# Altium PCB AX7021B.PcbDoc (part 1 of 6) (continued)
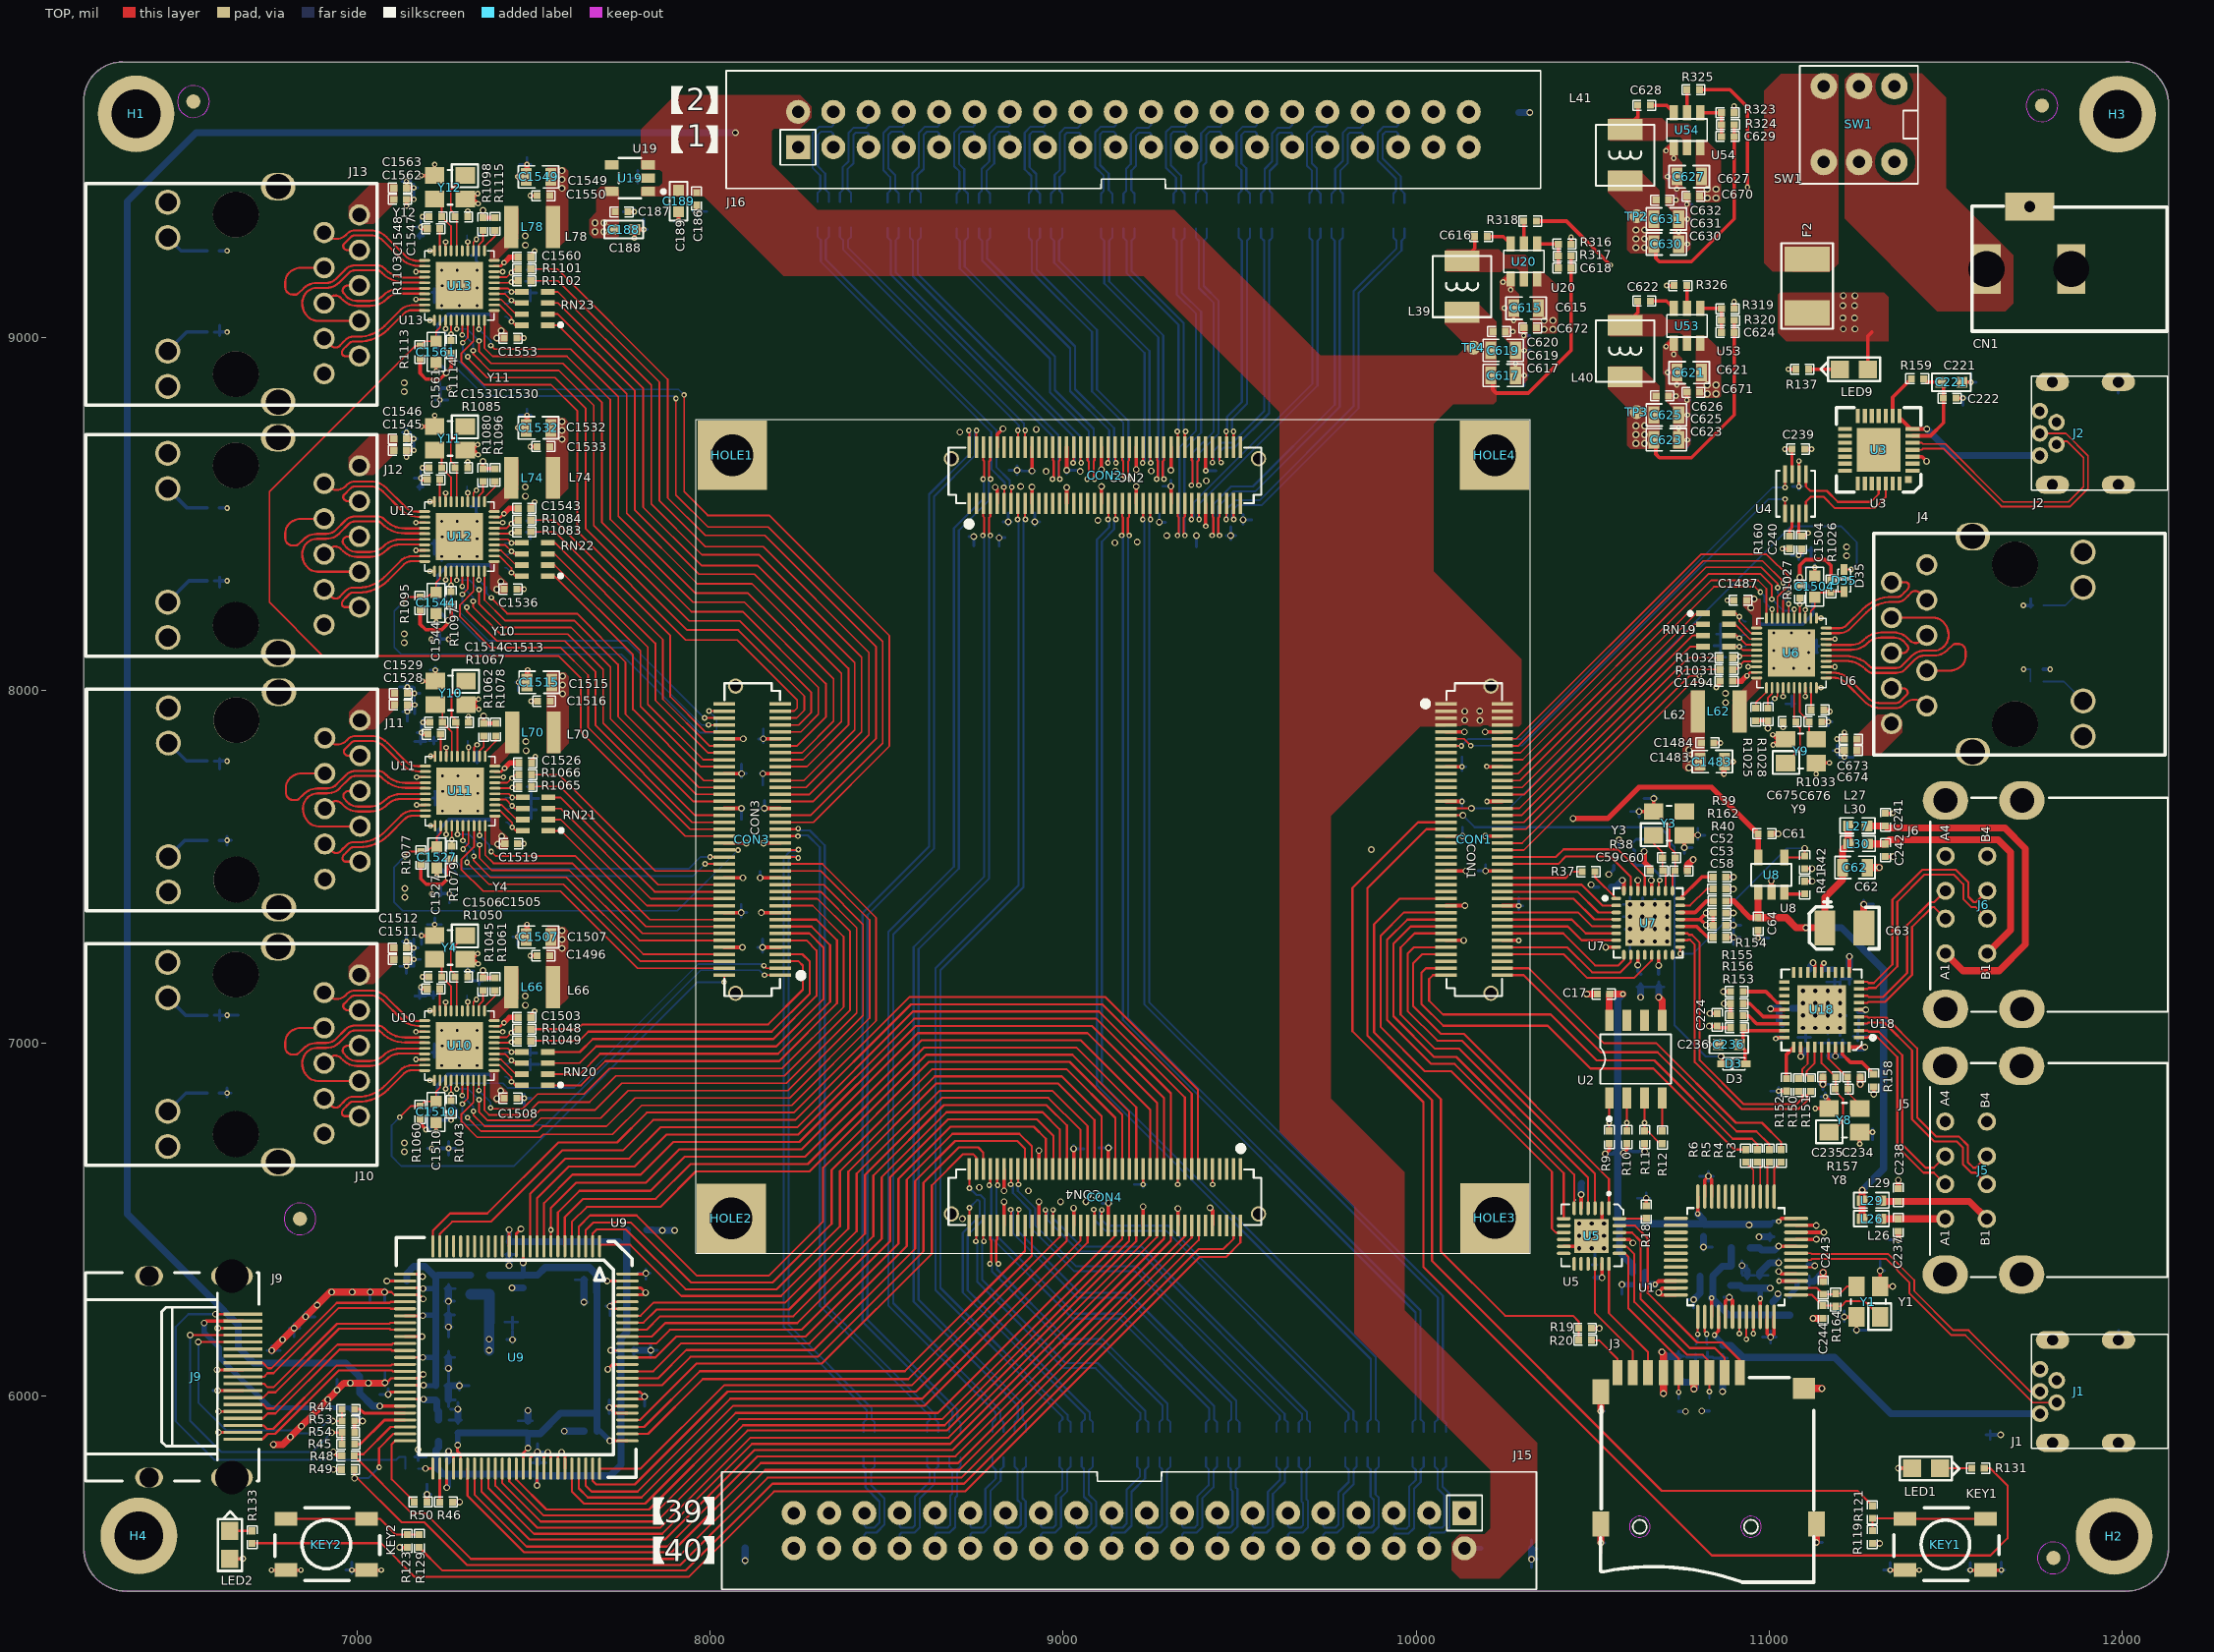
[diagram p0: TOP view]
## Components (designator, comment, footprint, x,y, rotation, side; value= is the part's Value field where it differs from the comment) (continued)
R164 "RESISTOR_R0402_1M" R0402#1 11188.36,6273.45 r270 top
R316 "RESISTOR_R0402_10K/1%" R0402#1 10420.75,9263.85 r0 top
R317 "RESISTOR_R0402_56K/1%" R0402#1 10420.75,9230.1 r180 top
R318 "100K_R0402_10K/1%" R0402#1 10322.91,9329.11 r180 top
R319 "RESISTOR_R0402_15K/1%" R0402#1 10882.79,9081.31 r0 top
R320 "RESISTOR_R0402_18.7K/1%" R0402#1 10882.79,9047.56 r180 top
R323 "RESISTOR_R0402_18K/1%" R0402#1 10882.79,9636.06 r0 top
R324 "RESISTOR_R0402_56.2K/1%" R0402#1 10882.79,9602.31 r180 top
R325 "100K_R0402_10K/1%" R0402#1 10784.95,9701.32 r180 top
R326 "100K_R0402_10K/1%" R0402#1 10748.95,9146.57 r0 top
R1025 "RESISTOR_R0402_4.7K" R0402#1 10962.4,7931.9 r90 top
R1026 "RESISTOR_R0402_100K/1%" R0402#1 11174.64,8294.94 r90 top
R1027 "RESISTOR_R0402_1.5K" R0402#1 11086.72,8279.96 r90 top
R1028 "RESISTOR_R0402_4.7K" R0402#1 10996.53,7931.9 r270 top
R1029 "RESISTOR_R0402_4.7K" R0402#2 11758.54,8059.67 r180 bottom
R1030 "RESISTOR_R0402_4.7K" R0402#2 11007.33,7940.51 r90 bottom
R1031 "RESISTOR_R0402_33R" R0402#1 10878.67,8059.3 r180 top
R1032 "RESISTOR_R0402_33R" R0402#1 10878.67,8092.62 r180 top
R1033 "RESISTOR_R0402_2.49K/1%" R0402#1 11136.63,7945.06 r180 top
R1034 "RESISTOR_R0402_510R" R0402#2 11758.54,8240.59 r0 bottom
R1035 "RESISTOR_R0402_510R" R0402#2 11758.54,8024.96 r0 bottom
R1036 "RESISTOR_R0402_NC" R0402#2 10880.21,8126.62 r180 bottom
R1037 "RESISTOR_R0402_NC" R0402#2 10880.21,8159.26 r180 bottom
R1038 "RESISTOR_R0402_4.7K" R0402#2 10952.15,8157.52 r180 bottom
R1039 "RESISTOR_R0402_4.7K" R0402#2 10952.15,8124.7 r180 bottom
R1040 "RESISTOR_R0402_4.7K" R0402#2 10951.74,8194.4 r180 bottom
R1041 "RESISTOR_R0402_4.7K" R0402#2 10880.21,8061.34 r180 bottom
R1042 "RESISTOR_R0402_4.7K" R0402#2 10880.21,8093.98 r180 bottom
R1043 "RESISTOR_R0402_1.5K" R0402#1 7266.37,6819.73 r270 top
R1045 "RESISTOR_R0402_4.7K" R0402#1 7356.56,7167.79 r90 top
R1046 "RESISTOR_R0402_4.7K" R0402#2 7345.76,7159.18 r270 bottom
R1047 "RESISTOR_R0402_4.7K" R0402#2 7311.36,7153.72 r270 bottom
R1048 "RESISTOR_R0402_33R" R0402#1 7474.42,7040.39 r0 top
R1049 "RESISTOR_R0402_33R" R0402#1 7474.42,7007.07 r0 top
R1050 "RESISTOR_R0402_2.49K/1%" R0402#1 7216.46,7154.63 r0 top
R1051 "RESISTOR_R0402_510R" R0402#2 6592.55,6859.35 r180 bottom
R1052 "RESISTOR_R0402_510R" R0402#2 6592.55,7079.69 r180 bottom
R1053 "RESISTOR_R0402_NC" R0402#2 7472.88,6940.43 r0 bottom
R1054 "RESISTOR_R0402_NC" R0402#2 7472.88,6973.07 r0 bottom
R1055 "RESISTOR_R0402_4.7K" R0402#2 7400.94,6974.99 r0 bottom
R1056 "RESISTOR_R0402_4.7K" R0402#2 7400.94,6942.17 r0 bottom
R1057 "RESISTOR_R0402_4.7K" R0402#2 7401.35,6905.29 r0 bottom
R1058 "RESISTOR_R0402_4.7K" R0402#2 7472.88,7038.35 r0 bottom
R1059 "RESISTOR_R0402_4.7K" R0402#2 7472.88,7005.71 r0 bottom
R1060 "RESISTOR_R0402_100K/1%" R0402#1 7178.45,6804.75 r270 top
R1061 "RESISTOR_R0402_4.7K" R0402#1 7390.69,7167.79 r270 top
R1062 "RESISTOR_R0402_4.7K" R0402#1 7358.55,7888.8 r90 top
R1063 "RESISTOR_R0402_4.7K" R0402#2 7347.75,7880.19 r270 bottom
R1064 "RESISTOR_R0402_4.7K" R0402#2 7313.35,7874.73 r270 bottom
R1065 "RESISTOR_R0402_33R" R0402#1 7476.41,7728.08 r0 top
R1066 "RESISTOR_R0402_33R" R0402#1 7476.41,7761.4 r0 top
R1067 "RESISTOR_R0402_2.49K/1%" R0402#1 7218.45,7875.64 r0 top
R1068 "RESISTOR_R0402_510R" R0402#2 6592.55,7575.14 r180 bottom
R1069 "RESISTOR_R0402_510R" R0402#2 6592.55,7799.8 r180 bottom
R1070 "RESISTOR_R0402_NC" R0402#2 7474.87,7661.44 r0 bottom
R1071 "RESISTOR_R0402_NC" R0402#2 7474.87,7694.08 r0 bottom
R1072 "RESISTOR_R0402_4.7K" R0402#2 7402.93,7696 r0 bottom
R1073 "RESISTOR_R0402_4.7K" R0402#2 7402.93,7663.18 r0 bottom
R1074 "RESISTOR_R0402_4.7K" R0402#2 7403.34,7626.3 r0 bottom
R1075 "RESISTOR_R0402_4.7K" R0402#2 7474.87,7759.36 r0 bottom
R1076 "RESISTOR_R0402_4.7K" R0402#2 7474.87,7726.72 r0 bottom
R1077 "RESISTOR_R0402_100K/1%" R0402#1 7180.44,7525.76 r270 top
R1078 "RESISTOR_R0402_4.7K" R0402#1 7392.68,7888.8 r270 top
R1079 "RESISTOR_R0402_1.5K" R0402#1 7268.36,7540.74 r270 top
R1080 "RESISTOR_R0402_4.7K" R0402#1 7356.55,8609.8 r90 top
R1081 "RESISTOR_R0402_4.7K" R0402#2 7345.75,8601.19 r270 bottom
R1082 "RESISTOR_R0402_4.7K" R0402#2 7311.35,8595.73 r270 bottom
R1083 "RESISTOR_R0402_33R" R0402#1 7474.41,8449.08 r0 top
R1084 "RESISTOR_R0402_33R" R0402#1 7474.41,8482.4 r0 top
R1085 "RESISTOR_R0402_2.49K/1%" R0402#1 7216.45,8596.64 r0 top
R1086 "RESISTOR_R0402_510R" R0402#2 6592.55,8310.23 r180 bottom
R1087 "RESISTOR_R0402_510R" R0402#2 6592.55,8516.45 r180 bottom
R1088 "RESISTOR_R0402_NC" R0402#2 7472.87,8382.44 r0 bottom
R1089 "RESISTOR_R0402_NC" R0402#2 7472.87,8415.08 r0 bottom
R1090 "RESISTOR_R0402_4.7K" R0402#2 7400.93,8417 r0 bottom
R1091 "RESISTOR_R0402_4.7K" R0402#2 7400.93,8384.18 r0 bottom
R1092 "RESISTOR_R0402_4.7K" R0402#2 7401.34,8347.3 r0 bottom
R1093 "RESISTOR_R0402_4.7K" R0402#2 7472.87,8480.36 r0 bottom
R1094 "RESISTOR_R0402_4.7K" R0402#2 7472.87,8447.72 r0 bottom
R1095 "RESISTOR_R0402_100K/1%" R0402#1 7178.44,8246.76 r270 top
R1096 "RESISTOR_R0402_4.7K" R0402#1 7390.68,8609.8 r270 top
R1097 "RESISTOR_R0402_1.5K" R0402#1 7266.36,8261.74 r270 top
R1098 "RESISTOR_R0402_4.7K" R0402#1 7356.55,9320.8 r90 top
R1099 "RESISTOR_R0402_4.7K" R0402#2 7345.75,9312.19 r270 bottom
R1100 "RESISTOR_R0402_4.7K" R0402#2 7311.35,9306.73 r270 bottom
R1101 "RESISTOR_R0402_33R" R0402#1 7474.41,9193.4 r0 top
R1102 "RESISTOR_R0402_33R" R0402#1 7474.41,9160.08 r0 top
R1103 "RESISTOR_R0402_2.49K/1%" R0402#1 7216.45,9307.64 r0 top
R1104 "RESISTOR_R0402_510R" R0402#2 6592.55,9015.02 r180 bottom
R1105 "RESISTOR_R0402_510R" R0402#2 6592.55,9244.96 r180 bottom
R1106 "RESISTOR_R0402_NC" R0402#2 7472.87,9126.08 r0 bottom
R1107 "RESISTOR_R0402_NC" R0402#2 7472.87,9093.44 r0 bottom
R1108 "RESISTOR_R0402_4.7K" R0402#2 7400.93,9095.18 r0 bottom
R1109 "RESISTOR_R0402_4.7K" R0402#2 7400.93,9128 r0 bottom
R1110 "RESISTOR_R0402_4.7K" R0402#2 7401.34,9058.3 r0 bottom
R1111 "RESISTOR_R0402_4.7K" R0402#2 7472.87,9191.36 r0 bottom
R1112 "RESISTOR_R0402_4.7K" R0402#2 7472.87,9158.72 r0 bottom
R1113 "RESISTOR_R0402_100K/1%" R0402#1 7178.44,8957.76 r270 top
R1114 "RESISTOR_R0402_1.5K" R0402#1 7266.36,8972.74 r270 top
R1115 "RESISTOR_R0402_4.7K" R0402#1 7390.68,9320.8 r270 top
RN1 "RESARR_IS_4/SM_RN-8P_33R" RN-8P#1 10037.04,5863.86 r90 bottom
RN2 "RESARR_IS_4/SM_RN-8P_33R" RN-8P#1 8352.04,9346.84 r270 bottom
RN3 "RESARR_IS_4/SM_RN-8P_33R" RN-8P#1 9847.04,5863.86 r90 bottom
RN4 "RESARR_IS_4/SM_RN-8P_33R" RN-8P#1 8550.04,9345.86 r270 bottom
RN5 "RESARR_IS_4/SM_RN-8P_33R" RN-8P#1 9652.04,5863.86 r90 bottom
RN6 "RESARR_IS_4/SM_RN-8P_33R" RN-8P#1 8746.04,9344.86 r270 bottom
RN7 "RESARR_IS_4/SM_RN-8P_33R" RN-8P#1 9452.04,5863.86 r90 bottom
RN8 "RESARR_IS_4/SM_RN-8P_33R" RN-8P#1 8950.04,9344.86 r270 bottom
RN9 "RESARR_IS_4/SM_RN-8P_33R" RN-8P#1 9257.04,5863.86 r90 bottom
RN10 "RESARR_IS_4/SM_RN-8P_33R" RN-8P#1 9155.04,9344.86 r270 bottom
RN11 "RESARR_IS_4/SM_RN-8P_33R" RN-8P#1 9037.04,5863.86 r90 bottom
RN12 "RESARR_IS_4/SM_RN-8P_33R" RN-8P#1 9360.04,9344.84 r270 bottom
RN13 "RESARR_IS_4/SM_RN-8P_33R" RN-8P#1 8847.04,5863.84 r90 bottom
RN14 "RESARR_IS_4/SM_RN-8P_33R" RN-8P#1 9545.04,9344.84 r270 bottom
RN15 "RESARR_IS_4/SM_RN-8P_33R" RN-8P#1 8662.04,5863.84 r90 bottom
RN16 "RESARR_IS_4/SM_RN-8P_33R" RN-8P#1 9745.04,9344.84 r270 bottom
RN17 "RESARR_IS_4/SM_RN-8P_33R" RN-8P#1 8482.04,5863.84 r90 bottom
RN18 "RESARR_IS_4/SM_RN-8P_33R" RN-8P#1 9920.04,9344.84 r270 bottom
RN19 "RESARR_IS_4/SM_RN-8P_33R" RN-8P#2 10849.38,8171.2 r0 top
RN20 "RESARR_IS_4/SM_RN-8P_33R" RN-8P#2 7503.7,6928.5 r180 top
RN21 "RESARR_IS_4/SM_RN-8P_33R" RN-8P#2 7505.7,7649.5 r180 top
RN22 "RESARR_IS_4/SM_RN-8P_33R" RN-8P#2 7503.7,8370.5 r180 top
RN23 "RESARR_IS_4/SM_RN-8P_33R" RN-8P#2 7503.7,9081.5 r180 top
SW1 "SW KEY-DPDT_KEY_DPDT_SW" KEY_DPDT 11254.26,9602.05 r270 top
TP2 "TP_MARK_NC" MARK 10624.58,9342.88 r90 top
TP3 "TP_MARK_NC" MARK 10624.58,8788.13 r90 top
TP4 "TP_MARK_NC" MARK 10162.54,8970.67 r90 top
U1 "FT232HL_0_LQFP-48_FT232HL" LQFP-48 10906.04,6395.85 r90 top
U2 "93LC56BISN_0_SO8_93LC56BISN" SO8 10621.04,6955.85 r90 top
U3 "CP2102_2_QFN-28_CP2102-GM" QFN-28 11310.43,8681.44 r180 top
U4 "TXS0102DCU_1_VSSOP8_TXS0102DCU" VSSOP8 11074.69,8556.85 r180 top
U5 "TXS02612RTWR_0_WQFN-24_EP_TXS02" WQFN-24_EP 10500.04,6454.35 r270 top
U6 "JL2121D-N040I_0_QFN40-5X5_JL212" QFN40-5X5 11063.34,8105.96 r180 top
U7 "USB3320C-EZK_6_USB3320C_USB3320" USB3320C 10657.04,7341.85 r0 top
U8 "TPS2051BDBV_SOT23-5_TPS2051BDBV" SOT23-5 11006.18,7477.47 r0 top
U9 "SII9134_0_QFP-100_SII9134" QFP-100 7450.8,6110.46 r270 top
U10 "JL2121D-N040I_0_QFN40-5X5_JL212" QFN40-5X5 7289.76,6993.72 r0 top
U11 "JL2121D-N040I_0_QFN40-5X5_JL212" QFN40-5X5 7291.74,7714.74 r0 top
U12 "JL2121D-N040I_0_QFN40-5X5_JL212" QFN40-5X5 7289.74,8435.74 r0 top
U13 "JL2121D-N040I_0_QFN40-5X5_JL212" QFN40-5X5 7289.74,9146.74 r0 top
U18 "USB2514_0_QFN-37_USB2514" QFN-37 11146.04,7095.85 r90 top
U19 "SPX3819M5-2-5_SOT-23-5_SPX3819M" SOT-23-5 7772.92,9450.92 r90 top
U20 "ETA1471FT2G_SOT23-6_ETA1471FT2G" SOT23-6 10305.07,9214.96 r0 top
U53 "ETA1471FT2G_SOT23-6_ETA1471FT2G" SOT23-6 10767.11,9032.42 r0 top
U54 "ETA1471FT2G_SOT23-6_ETA1471FT2G" SOT23-6 10767.11,9587.17 r0 top
Y1 "X3_0_OSC3225_12MHZ" OSC3225 11280.94,6268.45 r90 top
Y3 "X3_0_OSC3225_24MHZ" OSC3225 10716.36,7623.28 r0 top
Y4 "X3_0_OSC3225_25MHZ" OSC3225 7263.13,7271.76 r180 top
Y8 "X3_0_OSC3225_24MHZ" OSC3225 11212.98,6782.19 r0 top
Y9 "X3_0_OSC3225_25MHZ" OSC3225 11089.96,7827.93 r0 top
Y10 "X3_0_OSC3225_25MHZ" OSC3225 7265.12,7992.77 r180 top
Y11 "X3_0_OSC3225_25MHZ" OSC3225 7263.12,8713.77 r180 top
Y12 "X3_0_OSC3225_25MHZ" OSC3225 7263.12,9424.77 r180 top

## Footprints (in the part's own frame and the unit in brackets; to place one, negate y for a bottom-side part, rotate by r counter-clockwise, add the part's x,y. Pads: shape width x height; smd on the part's side, far side on the other; paste and mask are expansions set on the pad)
AXK680337YG [mil] "AXK680337YG"
  rect 9.84x61.02 smd: 1(-383.86,-79.72) 2(-383.86,79.72) 3(-364.17,-79.72) 4(-364.17,79.72) 5(-344.49,-79.72) 6(-344.49,79.72) 7(-324.8,-79.72) 8(-324.8,79.72) 9(-305.12,-79.72) 10(-305.12,79.72) 11(-285.43,-79.72) 12(-285.43,79.72) 13(-265.75,-79.72) 14(-265.75,79.72) 15(-246.06,-79.72) 16(-246.06,79.72) 17(-226.38,-79.72) 18(-226.38,79.72) 19(-206.69,-79.72) 20(-206.69,79.72) 21(-187.01,-79.72) 22(-187.01,79.72) 23(-167.32,-79.72) 24(-167.32,79.72) 25(-147.64,-79.72) 26(-147.64,79.72) 27(-127.95,-79.72) 28(-127.95,79.72) 29(-108.27,-79.72) 30(-108.27,79.72) 31(-88.58,-79.72) 32(-88.58,79.72) 33(-68.9,-79.72) 34(-68.9,79.72) 35(-49.21,-79.72) 36(-49.21,79.72) 37(-29.53,-79.72) 38(-29.53,79.72) 39(-9.84,-79.72) 40(-9.84,79.72) 41(9.84,-79.72) 42(9.84,79.72) 43(29.53,-79.72) 44(29.53,79.72) 45(49.21,-79.72) 46(49.21,79.72) 47(68.9,-79.72) 48(68.9,79.72) 49(88.58,-79.72) 50(88.58,79.72) 51(108.27,-79.72) 52(108.27,79.72) 53(127.95,-79.72) 54(127.95,79.72) 55(147.64,-79.72) 56(147.64,79.72) 57(167.32,-79.72) 58(167.32,79.72) 59(187.01,-79.72) 60(187.01,79.72) 61(206.69,-79.72) 62(206.69,79.72) 63(226.38,-79.72) 64(226.38,79.72) 65(246.06,-79.72) 66(246.06,79.72) 67(265.75,-79.72) 68(265.75,79.72) 69(285.43,-79.72) 70(285.43,79.72) 71(305.12,-79.72) 72(305.12,79.72) 73(324.8,-79.72) 74(324.8,79.72) 75(344.49,-79.72) 76(344.49,79.72) 77(364.17,-79.72) 78(364.17,79.72) 79(383.86,-79.72) 80(383.86,79.72)
  round 43.31 hole 31.5: 81(-435.04,47.24) 82(435.04,47.24)
  silkscreen extent -443,-146 443,79, body extent -462,-85 462,85, height 150
C0402#1 [mil] "C0402"
  rect 20x20 smd: 1(18,0) 2(-18,0)
  silkscreen extent -32,-14 33,14, body extent -32,-14 32,14, height 150
C0402#2 [mil] "C0402"
  rect 20x20 smd: 1(-18,0) 2(18,0)
  silkscreen extent -33,-14 32,14, body extent -32,-14 32,14, height 150
C0603#1 [mil] "C0603"
  rect 31.5x31.5 smd: 1(30,0) 2(-30,0)
  silkscreen extent -55,-25 55,25, body extent -55,-25 55,25, height 150
C0603#2 [mil] "C0603"
  rect 31.5x31.5 smd: 1(-30,0) 2(30,0)
  silkscreen extent -55,-25 55,25, body extent -55,-25 55,25, height 150
C0805#1 [mil] "C0805"
  rect 31x50 smd: 1(-35.5,-0.5) 2(34.5,-0.5)
  silkscreen extent -58,-32 56,32, body extent -52,-28 52,28, height 150
C0805#2 [mil] "C0805"
  rect 31x50 smd: 1(35.5,0.5) 2(-34.5,0.5)
  silkscreen extent -56,-32 58,32, body extent -52,-28 52,28, height 150
CN1-DCJACK [mil] "CN1-DCJACK"
  rect 140x80 hole 102.36: 1(-35.59,-5) 3(-35.59,235.16)
  rect 80x140 hole 31.5: 2(141.58,113)
  silkscreen extent -212,-276 142,276, body extent -212,-276 212,276, height 150
DUAL_USB [mil] "DUAL_USB"
  round 51.5 hole 31.5: A1(-137.8,285.35) A2(-39.37,285.35) A3(39.37,285.35) A4(137.8,285.35) B1(-137.8,167.24) B2(-39.37,167.24) B3(39.37,167.24) B4(137.8,167.24)
  oval 108.42x128.42 hole 68.42: S1(-295.28,285.35) S2(-295.28,68.81) S3(295.28,285.35) S4(295.28,68.81)
  silkscreen extent -303,-345 303,329, body extent -352,-352 352,352, height 150
FPAD_1 [mm] "FPAD_1"
  rect 5x5 / inner rect 3.556x3.556 / far side rect 5x5 hole 3: 1(0,0)
FUSE_1812 [mil] "FUSE_1812"
  rect 72x128 smd: 1(-76,0) 2(76,0)
  silkscreen extent -121,-73 121,73, body extent -121,-73 121,73, height 150
GE_RJ45 [mil] "GE_RJ45"
  round 70.87 hole 51.18: 11(180.41,-260.84) 12(180.41,-160.84) 13(180.41,160.81) 14(180.41,260.81)
  oval 98x78 hole 70.87: 15(-132.58,-305.13) 16(-132.58,305.1)
  round 129.92 hole 129.92: 17(-12.5,-226) 18(-12.5,225.97)
  round 60 hole 40: P1(-362.5,-225.02) P2(-262.5,-175.02) P3(-362.5,-125.02) P4(-262.5,-75.02) P5(-362.5,-25.02) P6(-262.5,24.98) P7(-362.5,74.98) P8(-262.5,124.98) P9(-362.5,174.98) P10(-262.5,224.98)
  silkscreen extent -412,-314 412,314, body extent -412,-315 412,315, height 150
HDMI_A_TYPE [mil] "HDMI_A_TYPE"
  rect 110.24x9 smd: 1(195.87,-177.17) 2(195.87,-157.49) 3(195.87,-137.8) 4(195.87,-118.12) 5(195.87,-98.43) 6(195.87,-78.75) 7(195.87,-59.06) 8(195.87,-39.38) 9(195.87,-19.69) 10(195.87,-0.01) 11(195.87,19.68) 12(195.87,39.36) 13(195.87,59.05) 14(195.87,78.73) 15(195.87,98.42) 16(195.87,118.1) 17(195.87,137.79) 18(195.87,157.47) 19(195.87,177.16)
  oval 118.11x55.12 hole 94.49: 20(164.37,-285.44) 21(164.37,285.43)
  oval 78.74x55.12 hole 55.12: 22(-70.28,-285.44) 23(-70.28,285.43)
  silkscreen extent -251,-295 241,295
HOLE [mil] "HOLE"
  round 217.17 hole 137.8: 1(0,0)
IDC-40J [mil] "IDC-40J"
  rect 68x68 hole 35: 1(-950,-50)
  round 68 hole 35: 2(-950,50) 3(-850,-50) 4(-850,50) 5(-750,-50) 6(-750,50) 7(-650,-50) 8(-650,50) 9(-550,-50) 10(-550,50) 11(-450,-50) 12(-450,50) 13(-350,-50) 14(-350,50) 15(-250,-50) 16(-250,50) 17(-150,-50) 18(-150,50) 19(-50,-50) 20(-50,50) 21(50,-50) 22(50,50) 23(150,-50) 24(150,50) 25(250,-50) 26(250,50) 27(350,-50) 28(350,50) 29(450,-50) 30(450,50) 31(550,-50) 32(550,50) 33(650,-50) 34(650,50) 35(750,-50) 36(750,50) 37(850,-50) 38(850,50) 39(950,-50) 40(950,50)
  silkscreen extent -1154,-167 1154,167, body extent -1153,-166 1153,166, height 150
KEY_4X4X1_5 [mil] "KEY_4X4X1_5"
  rect 64x39.37 smd: 1(-112.17,75.33) 2(116.17,75.33) 3(-112.17,-70.33) 4(116.17,-70.33)
  silkscreen extent -150,-102 148,104, body extent -156,-105 156,105, height 150
KEY_DPDT [mil] "KEY_DPDT"
  round 75 hole 35: 1(-109.27,100.49) 2(-109.27,0.49) 3(-109.27,-99.51) 4(105.3,100.49) 5(105.3,0.49) 6(105.3,-99.51)
  silkscreen extent -167,-167 167,167, body extent -167,-167 167,167, height 150
L4_4X4_2 [mil] "L4_4X4_2"
  rect 98.42x59.06 smd: 1(0,72.84) 2(0,-72.84)
  silkscreen extent -83,-87 83,87
L0603#1 [mil] "L0603"
  rect 30x30 smd: 1(27.5,-1) 2(-26.5,-1)
  silkscreen extent -50,-22 50,22, body extent -50,-22 50,22, height 150
L0603#2 [mil] "L0603"
  rect 30x30 smd: 1(-27.5,1) 2(26.5,1)
  silkscreen extent -50,-22 50,22, body extent -50,-22 50,22, height 150
LED0805 [mil] "LED0805"
  rect 49.21x51.18 smd: 1(0.5,39.37) 2(0.5,-39.37)
  silkscreen extent -34,-94 34,74, body extent -31,-64 31,64, height 150
LQFP-48 [mil] "LQFP-48"
  oval 10x69 smd: 1(-108.27,-170.35) 2(-88.58,-170.35) 3(-68.9,-170.35) 4(-49.21,-170.35) 5(-29.53,-170.35) 6(-9.84,-170.35) 7(9.84,-170.35) 8(29.53,-170.35) 9(49.21,-170.35) 10(68.9,-170.35) 11(88.58,-170.35) 12(108.27,-170.35) 25(108.27,170.35) 26(88.58,170.35) 27(68.9,170.35) 28(49.21,170.35) 29(29.53,170.35) 30(9.84,170.35) 31(-9.84,170.35) 32(-29.53,170.35) 33(-49.21,170.35) 34(-68.9,170.35) 35(-88.58,170.35) 36(-108.27,170.35)
  oval 69x10 smd: 13(170.35,-108.27) 14(170.35,-88.58) 15(170.35,-68.9) 16(170.35,-49.21) 17(170.35,-29.53) 18(170.35,-9.84) 19(170.35,9.84) 20(170.35,29.53) 21(170.35,49.21) 22(170.35,68.9) 23(170.35,88.58) 24(170.35,108.27) 37(-170.35,108.27) 38(-170.35,88.58) 39(-170.35,68.9) 40(-170.35,49.21) 41(-170.35,29.53) 42(-170.35,9.84) 43(-170.35,-9.84) 44(-170.35,-29.53) 45(-170.35,-49.21) 46(-170.35,-68.9) 47(-170.35,-88.58) 48(-170.35,-108.27)
  silkscreen extent -138,-138 138,138
LVS303010 [mil] "LVS303010"
  rect 119x40 smd: 1(0,-59.06) 2(0,59.06)
  body extent -60,-59 60,59, height 150
MARK [mm] "MARK"
  round 1 smd: 1(0,0)
  body extent -0.52,-0.52 0.52,0.52, height 3.81
MICRO_SD [mil] "MICRO_SD"
  rect 27.56x70.87 smd: 1(92,280.5) 2(48.69,280.5) 3(5.39,280.5) 4(-37.92,280.5) 5(-81.23,280.5) 6(-124.54,280.5) 7(-167.84,280.5) 8(-211.15,280.5) 9(-254.46,280.5)
  rect 62.99x59.06 smd: 10(273.1,235.22)
  rect 47.24x70.87 smd: 11(-301.7,225.38) 12(-301.7,-148.63) 13(308.54,-148.63)
  Keep-Out Layer circle w1: c123.5,-156.51 r19.64
  Keep-Out Layer circle w1: c-191.46,-156.51 r19.64
  Multi-Layer keep-out circle w1: c-191.46,-156.51 r29.64
  Multi-Layer keep-out circle w1: c123.5,-156.51 r29.64
  silkscreen extent -10825,-5787 302,344, body extent -342,-326 342,326, height 150
MINI_USB_DIP [mm] "MINI_USB_DIP"
  round 1.2 hole 0.7: 1(-1.6,4.35) 2(-0.8,3.15) 3(0,4.35) 4(0.8,3.15) 5(1.6,4.35)
  oval 1.3x2.4 hole 0.8: 6(-3.7,3.45) 7(3.7,3.45) 8(-3.7,-1.3) 9(3.7,-1.3)
  silkscreen extent -4.1,-4.85 4.1,4.95, body extent -4.05,-4.85 4.05,4.85, height 3.81
OSC3225 [mil] "OSC3225"
  rect 55x47 smd: 1(-43.31,-33.46) 2(43.31,-33.46) 3(43.31,33.46) 4(-43.31,33.46)
  silkscreen extent -80,-65 7,49, body extent -78,-64 78,64, height 150
QFN40-5X5 [mil] "QFN40-5X5"
  oval 31.5x7.87 smd: 1(-98.22,70.86) 2(-98.22,55.11) 3(-98.22,39.37) 4(-98.22,23.62) 5(-98.22,7.87) 6(-98.22,-7.88) 7(-98.22,-23.63) 8(-98.22,-39.37) 9(-98.22,-55.12) 10(-98.22,-70.87) 21(98.63,-70.87) 22(98.63,-55.12) 23(98.63,-39.37) 24(98.63,-23.63) 25(98.63,-7.88) 26(98.63,7.87) 27(98.63,23.62) 28(98.63,39.37) 29(98.63,55.11) 30(98.63,70.86)
  oval 7.87x31.5 smd: 11(-70.66,-98.43) 12(-54.91,-98.43) 13(-39.16,-98.43) 14(-23.42,-98.43) 15(-7.67,-98.43) 16(8.08,-98.43) 17(23.83,-98.43) 18(39.58,-98.43) 19(55.32,-98.43) 20(71.07,-98.43) 31(71.07,98.42) 32(55.32,98.42) 33(39.58,98.42) 34(23.83,98.42) 35(8.08,98.42) 36(-7.67,98.42) 37(-23.42,98.42) 38(-39.16,98.42) 39(-54.91,98.42) 40(-70.66,98.42)
  rect 133.86x133.86 smd: 41(0.21,0)
  silkscreen extent -111,-98 99,98, body extent -98,-98 98,98, height 150
QFN-28 [mm] "QFN-28"
  rect 1x0.3 smd: 1(-2.43,1.5) 2(-2.43,1) 3(-2.43,0.5) 4(-2.43,0) 5(-2.43,-0.5) 6(-2.43,-1) 7(-2.43,-1.5) 15(2.43,-1.5) 16(2.43,-1) 17(2.43,-0.5) 18(2.43,0) 19(2.43,0.5) 20(2.43,1) 21(2.43,1.5)
  rect 0.3x1 smd: 8(-1.5,-2.43) 9(-1,-2.43) 10(-0.5,-2.43) 11(0,-2.43) 12(0.5,-2.43) 13(1,-2.43) 14(1.5,-2.43) 22(1.5,2.43) 23(1,2.43) 24(0.5,2.43) 25(0,2.43) 26(-0.5,2.43) 27(-1,2.43) 28(-1.5,2.43)
  rect 3.15x3.15 smd: 29(0,0)
  rect 0.508x0.508 smd: 30(-2.134,2.134)
  silkscreen extent -3.05,-3.05 3.05,3.05, body extent -3.05,-3.05 3.05,3.05, height 3.81
QFN-37 [mil] "QFN-37"
  rect 9.84x29.68 smd: 1(-79.24,-108.31) 2(-59.56,-108.31) 3(-39.87,-108.31) 4(-20.19,-108.31) 5(-0.5,-108.31) 6(19.19,-108.31) 7(38.87,-108.31) 8(58.56,-108.31) 9(78.24,-108.31) 19(78.24,103.31) 20(58.56,103.31) 21(38.87,103.31) 22(19.19,103.31) 23(-0.5,103.31) 24(-20.19,103.31) 25(-39.87,103.31) 26(-59.56,103.31) 27(-79.24,103.31)
  rect 29.68x9.84 smd: 10(105.31,-81.24) 11(105.31,-61.56) 12(105.31,-41.87) 13(105.31,-22.19) 14(105.31,-2.5) 15(105.31,17.19) 16(105.31,36.87) 17(105.31,56.56) 18(105.31,76.24) 28(-106.31,76.24) 29(-106.31,56.56) 30(-106.31,36.87) 31(-106.31,17.19) 32(-106.31,-2.5) 33(-106.31,-22.19) 34(-106.31,-41.87) 35(-106.31,-61.56) 36(-106.31,-81.24)
  rect 137.8x137.8 smd: 37(-0.5,-2.5)
  silkscreen extent -116,-154 114,112, body extent -124,-125 124,125, height 150
QFP-100 [mm] "QFP-100"
  oval 1.6x0.22 smd: 1(-8,6) 2(-8,5.5) 3(-8,5) 4(-8,4.5) 5(-8,4) 6(-8,3.5) 7(-8,3) 8(-8,2.5) 9(-8,2) 10(-8,1.5) 11(-8,1) 12(-8,0.5) 13(-8,0) 14(-8,-0.5) 15(-8,-1) 16(-8,-1.5) 17(-8,-2) 18(-8,-2.5) 19(-8,-3) 20(-8,-3.5) 21(-8,-4) 22(-8,-4.5) 23(-8,-5) 24(-8,-5.5) 25(-8,-6) 51(8,-6) 52(8,-5.5) 53(8,-5) 54(8,-4.5) 55(8,-4) 56(8,-3.5) 57(8,-3) 58(8,-2.5) 59(8,-2) 60(8,-1.5) 61(8,-1) 62(8,-0.5) 63(8,0) 64(8,0.5) 65(8,1) 66(8,1.5) 67(8,2) 68(8,2.5) 69(8,3) 70(8,3.5) 71(8,4) 72(8,4.5) 73(8,5) 74(8,5.5) 75(8,6)
  oval 0.22x1.6 smd: 26(-6,-8) 27(-5.5,-8) 28(-5,-8) 29(-4.5,-8) 30(-4,-8) 31(-3.5,-8) 32(-3,-8) 33(-2.5,-8) 34(-2,-8) 35(-1.5,-8) 36(-1,-8) 37(-0.5,-8) 38(0,-8) 39(0.5,-8) 40(1,-8) 41(1.5,-8) 42(2,-8) 43(2.5,-8) 44(3,-8) 45(3.5,-8) 46(4,-8) 47(4.5,-8) 48(5,-8) 49(5.5,-8) 50(6,-8) 76(6,8) 77(5.5,8) 78(5,8) 79(4.5,8) 80(4,8) 81(3.5,8) 82(3,8) 83(2.5,8) 84(2,8) 85(1.5,8) 86(1,8) 87(0.5,8) 88(0,8) 89(-0.5,8) 90(-1,8) 91(-1.5,8) 92(-2,8) 93(-2.5,8) 94(-3,8) 95(-3.5,8) 96(-4,8) 97(-4.5,8) 98(-5,8) 99(-5.5,8) 100(-6,8)
  silkscreen extent -8.64,-8.64 8.64,8.64, body extent -8.8,-8.64 8.8,8.64, height 3.81
R0402#1 [mil] "R0402"
  rect 20x20 smd: 1(-18,0) 2(18,0)
  silkscreen extent -33,-14 32,14, body extent -28,-10 28,10, height 150
R0402#2 [mil] "R0402"
  rect 20x20 smd: 1(18,0) 2(-18,0)
  silkscreen extent -32,-14 33,14, body extent -28,-10 28,10, height 150
R0603 [mil] "R0603"
  rect 35x30 smd: 1(30,-0.14) 2(-30,-0.14)
  silkscreen extent -59,-25 59,25, body extent -59,-25 59,25, height 150
RN-8P#1 [mm] "RN-8P"
  rect 1x0.4 smd: 1(0.929,-1.2) 2(0.929,-0.4) 3(0.929,0.4) 4(0.929,1.2) 5(-0.929,1.2) 6(-0.929,0.4) 7(-0.929,-0.4) 8(-0.929,-1.2)
  silkscreen extent 1.71,-1.3 1.97,-1.04, body extent -1.43,-1.4 1.43,1.4, height 3.81
RN-8P#2 [mm] "RN-8P"
  rect 1x0.4 smd: 1(-0.929,1.2) 2(-0.929,0.4) 3(-0.929,-0.4) 4(-0.929,-1.2) 5(0.929,-1.2) 6(0.929,-0.4) 7(0.929,0.4) 8(0.929,1.2)
  silkscreen extent -1.97,1.05 -1.71,1.3
SO8 [mil] "SO8"
  rect 60x24 smd: 1(-110,74) 2(-110,24) 3(-110,-26) 4(-110,-76) 5(110,-76) 6(110,-26) 7(110,24) 8(110,74)
  silkscreen extent -175,-101 70,99, body extent -140,-101 140,101, height 150
SOD-523#1 [mil] "SOD-523"
  rect 19.69x31.5 smd: 1(0,31.5) 2(0,-31.5)
  silkscreen extent -18,-32 18,32, body extent -18,-32 18,32, height 150
SOD-523#2 [mil] "SOD-523"
  rect 19.69x31.5 smd: 1(0,-31.5) 2(0,31.5)
  silkscreen extent -18,-32 18,32, body extent -18,-32 18,32, height 150
SOT23-5 [mil] "SOT23-5"
  rect 23.62x43.31 smd: 1(-37.4,-49.21) 2(0,-49.21) 3(37.4,-49.21) 4(37.4,49.21) 5(-37.4,49.21)
  silkscreen extent -74,-62 57,32, body extent -57,-32 57,32, height 150
SOT23-6 [mil] "SOT23-6"
  rect 23.62x43.31 smd: 1(-37.4,-49.21) 2(0,-49.21) 3(37.4,-49.21) 4(37.4,49.21) 5(0,49.21) 6(-37.4,49.21)
  silkscreen extent -74,-60 57,32, body extent -57,-32 57,32, height 150
SOT-23-5 [mil] "SOT-23-5"
  rect 27x39 smd: 1(-37.4,-50.98) 2(0,-50.98) 3(37.4,-50.98) 4(37.4,50.98) 5(-37.4,50.98)
  silkscreen extent -57,-100 57,32, body extent -65,-78 65,78, height 150
TAN-SMB [mil] "TAN-SMB"
  rect 59.06x98.43 smd: 1(55.12,12) 2(-55.12,12)
  silkscreen extent -99,-72 100,72, body extent -104,-72 104,72, height 150
USB3320C [mil] "USB3320C"
  oval 28x10 smd: 1(-90.17,68.38) 2(-90.17,48.69) 3(-90.17,29.01) 4(-90.17,9.32) 5(-90.17,-10.36) 6(-90.17,-30.05) 7(-90.17,-49.73) 8(-90.17,-69.42) 17(90.93,-69.42) 18(90.93,-49.73) 19(90.93,-30.05) 20(90.93,-10.36) 21(90.93,9.32) 22(90.93,29.01) 23(90.93,48.69) 24(90.93,68.38)
  oval 10x28 smd: 9(-68.52,-91.07) 10(-48.83,-91.07) 11(-29.15,-91.07) 12(-9.46,-91.07) 13(10.22,-91.07) 14(29.91,-91.07) 15(49.59,-91.07) 16(69.28,-91.07) 25(69.28,90.03) 26(49.59,90.03) 27(29.91,90.03) 28(10.22,90.03) 29(-9.46,90.03) 30(-29.15,90.03) 31(-48.83,90.03) 32(-68.52,90.03)
  rect 129.93x129.93 smd: 33(0.38,-0.52)
  silkscreen extent -127,-99 99,98
VSSOP8 [mil] "VSSOP8"
  rect 10x51 smd: 1(-29.53,-55.61) 2(-9.84,-55.61) 3(9.84,-55.61) 4(29.53,-55.61) 5(29.53,55.61) 6(9.84,55.61) 7(-9.84,55.61) 8(-29.53,55.61)
  silkscreen extent -59,-90 55,65, body extent -47,-89 47,89, height 150
WQFN-24_EP [mm] "WQFN-24_EP"
  oval 1x0.25 smd: 1(-2,1.169) 2(-2,0.67) 3(-2,0.169) 4(-2,-0.33) 5(-2,-0.831) 6(-2,-1.33) 13(2,-1.33) 14(2,-0.831) 15(2,-0.33) 16(2,0.169) 17(2,0.67) 18(2,1.169)
  oval 0.25x1 smd: 7(-1.25,-2.081) 8(-0.75,-2.081) 9(-0.25,-2.081) 10(0.25,-2.081) 11(0.75,-2.081) 12(1.25,-2.081) 19(1.25,1.919) 20(0.75,1.919) 21(0.25,1.919) 22(-0.25,1.919) 23(-0.75,1.919) 24(-1.25,1.919)
  rect 2.45x2.45 smd: 25(0,-0.081)
  silkscreen extent -3.15,-2.26 2.18,2.21, body extent -2.5,-2.21 2.5,2.21, height 3.81

## Free pads (board coordinates)
  round 60 smd far side: 1(6528.3,5685.46) 1(6535.8,9667.81) 1(11772.8,9655.81) 1(11805.8,5542.61)
  round 40 smd: 1(6536.3,9667.81) 1(6838.3,6502.96) 1(11772.8,9656.31) 1(11805.3,5542.61)

## Via types
v1: diameter 16, hole 8, TOP to BOTTOM, 459 vias
v2: diameter 19, hole 12, TOP to BOTTOM, 320 vias
v3: diameter 19.69, hole 11.81, TOP to BOTTOM, 82 vias

## Nets (pads, with @x,y where several pads share a name; then routed paths per layer and width w, separated by ;. In a path a pad name is that pad's centre, name@x,y a point inside that pad or via, vN(x,y) a via of type N, cw(c..) or ccw(c..) an arc to the next point about the centre after c; other vN are vias at no path point)
9134_CLK: CON4.57 U9.88 | length 1663.9
  TOP w6: U9.88@7765.76,6110.46 7845.21,6110.46 7904.37,6169.62 8270.29,6169.62 8533.34,6432.67 8533.34,6616.38 8681.11,6764.15 8916.87,6764.15 8951.08,6729.94 CON4.57@8951.08,6643.94
9134_D0: CON4.45 U9.94 | length 1826.4
  TOP w6: U9.94@7765.76,6228.57 7802.57,6228.57 7839.27,6265.27 8212.28,6265.27 8414.99,6467.98 8414.99,6631.03 8650.01,6866.05 8968.97,6866.05 9069.19,6765.83 CON4.45@9069.19,6643.94
9134_D1: CON4.47 U9.93 | length 1793.5
  TOP w6: U9.93@7765.76,6208.88 7811.38,6208.88 7848.64,6246.14 8223.89,6246.14 8438.66,6460.91 8438.66,6627.7 8656.63,6845.67 8958.35,6845.67 9049.5,6754.52 CON4.47@9049.5,6643.94
9134_D2: CON4.51 U9.92 | length 1756.5
  TOP w6: U9.92@7765.76,6189.2 7820.68,6189.2 7858.49,6227.01 8235.5,6227.01 8462.33,6453.84 8462.33,6625.37 8662.25,6825.29 8952.73,6825.29 9010.7,6767.32 9010.7,6644.51 CON4.51@9010.13,6643.94
9134_D3: CON4.53 U9.91 | length 1722.6
  TOP w6: U9.91@7765.76,6169.51 7834.46,6169.51 7872.83,6207.88 8247.09,6207.88 8486,6446.79 8486,6621.04 8669.87,6804.91 8942.11,6804.91 8990.45,6756.57 CON4.53@8990.45,6643.94
9134_D4: CON4.55 U9.90 | length 1690.2
  TOP w6: U9.90@7765.76,6149.83 7847.14,6149.83 7886.06,6188.75 8258.7,6188.75 8509.67,6439.72 8509.67,6620.71 8673.49,6784.53 8926.49,6784.53 8972.7,6738.32 8972.7,6645.88 CON4.55@8970.76,6643.94
9134_D5: CON4.61 U9.86 | length 1614
  TOP w6: U9.86@7765.76,6071.09 7839.15,6071.09 7918.55,6150.49 8281.9,6150.49 8557.01,6425.6 8557.01,6614.05 8686.73,6743.77 8876.25,6743.77 8911.71,6708.31 CON4.61@8911.71,6643.94
9134_D6: CON4.63 U9.85 | length 1583.5
  TOP w6: U9.85@7765.76,6051.4 7852.55,6051.4 7932.51,6131.36 8293.49,6131.36 8580.68,6418.55 8580.68,6609.72 8694.35,6723.39 8870.63,6723.39 8892.02,6702 CON4.63@8892.02,6643.94
9134_D7: CON4.75 U9.84 | length 1453.8
  TOP w6: U9.84@7765.76,6031.72 7864.38,6031.72 7944.89,6112.23 8305.1,6112.23 8604.35,6411.48 8604.35,6605.39 8704.28,6705.32 8759.7,6705.32 8773.7,6691.32 8773.7,6644.15 CON4.75@8773.91,6643.94
9134_D8: CON4.77 U9.79 | length 1450.4
  TOP w6: U9.79@7765.76,5933.29 7801.95,5933.29 7961.76,6093.1 8316.69,6093.1 8628.02,6404.43 8628.02,6597.64 8716.7,6686.32 8744.7,6686.32 8754.23,6676.79 CON4.77@8754.23,6643.94